# EAGLE board Mk4 Final a Panel score 2x5 (EAGLE 9.0.1), part 23 of 29
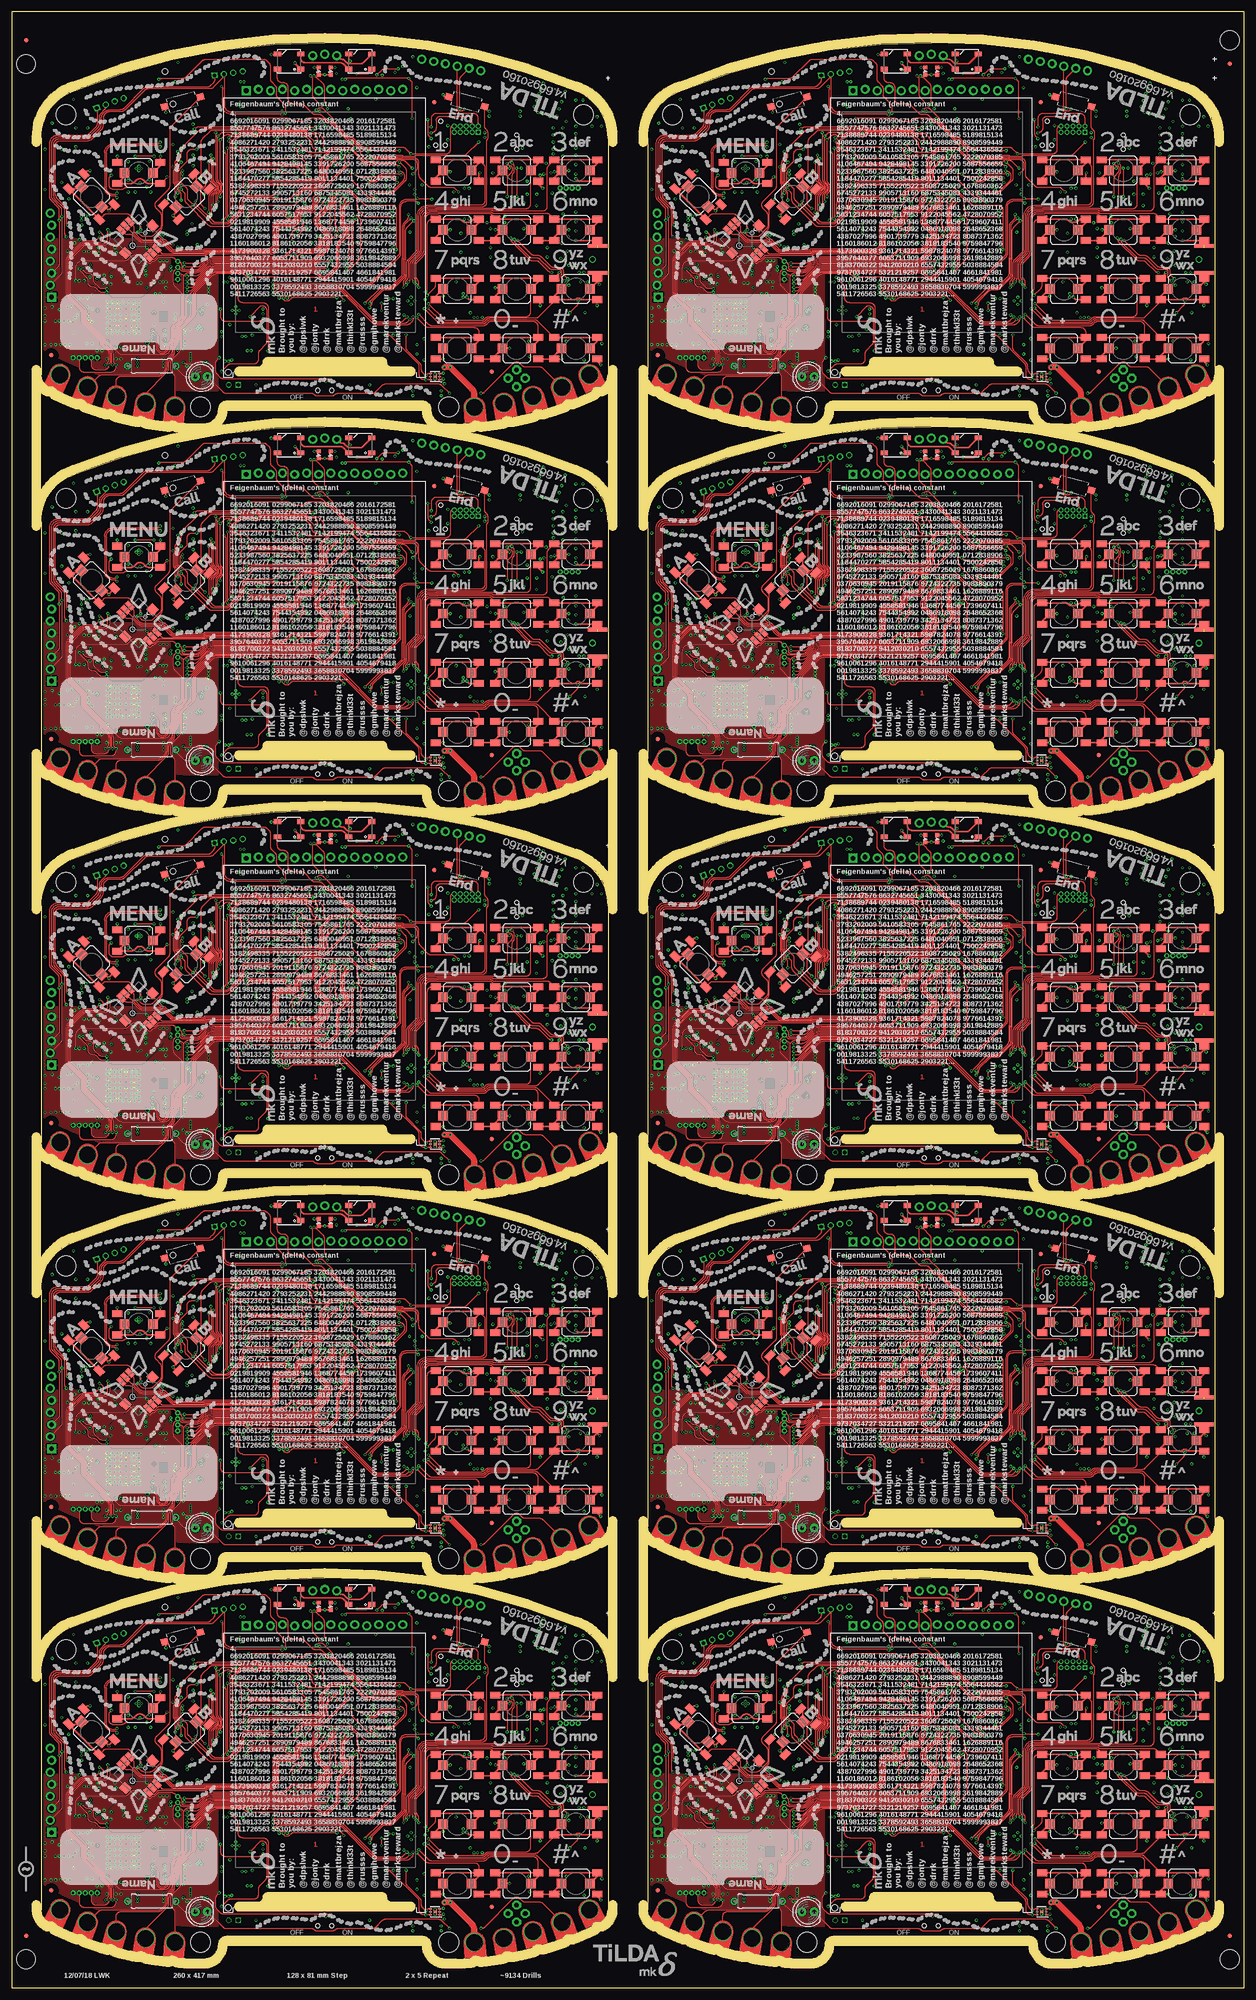
[diagram p0: board, top side]
## Tracks (layer width: path | path; a pad name or v marks a point on that pad's centre or on a via) (continued)
SIM_DET7 (continued)
  Bottom 0.2: IC129.14 231.2,284 arc90 232.2,283 239.09,283 arc-45 239.79,282.71 240.71,281.79 arc-45 241,281.09 R579.2 241,277.41 arc45 241.29,276.71 242.65,275.35 arc45 243.35,275.06 J74.C8
SIM_DET8
  Bottom 0.2: IC147.14 103.2,365 arc90 104.2,364 111.09,364 arc-45 111.79,363.71 112.71,362.79 arc-45 113,362.09 R657.2 113,358.41 arc45 113.29,357.71 114.65,356.35 arc45 115.35,356.06 J84.C8
SIM_DET9
  Bottom 0.2: IC165.14 231.2,365 arc90 232.2,364 239.09,364 arc-45 239.79,363.71 240.71,362.79 arc-45 241,362.09 R735.2 241,358.41 arc45 241.29,357.71 242.65,356.35 arc45 243.35,356.06 J94.C8
SIM_DTR
  Bottom 0.2: R31.1 94.25,47.25 TP2.TP
SIM_DTR1
  Bottom 0.2: R113.1 222.25,47.25 TP21.TP
SIM_DTR2
  Bottom 0.2: R191.1 94.25,128.25 TP40.TP
SIM_DTR3
  Bottom 0.2: R269.1 222.25,128.25 TP59.TP
SIM_DTR4
  Bottom 0.2: R347.1 94.25,209.25 TP78.TP
SIM_DTR5
  Bottom 0.2: R425.1 222.25,209.25 TP97.TP
SIM_DTR6
  Bottom 0.2: R503.1 94.25,290.25 TP116.TP
SIM_DTR7
  Bottom 0.2: R581.1 222.25,290.25 TP135.TP
SIM_DTR8
  Bottom 0.2: R659.1 94.25,371.25 TP154.TP
SIM_DTR9
  Bottom 0.2: R737.1 222.25,371.25 TP173.TP
SIM_DTR_R
  Bottom 0.15: R31.2 R40.1 96.7,46.45 IC5.6
SIM_DTR_R1
  Bottom 0.15: R113.2 R122.1 224.7,46.45 IC21.6
SIM_DTR_R2
  Bottom 0.15: R191.2 R200.1 96.7,127.45 IC39.6
SIM_DTR_R3
  Bottom 0.15: R269.2 R278.1 224.7,127.45 IC57.6
SIM_DTR_R4
  Bottom 0.15: R347.2 R356.1 96.7,208.45 IC75.6
SIM_DTR_R5
  Bottom 0.15: R425.2 R434.1 224.7,208.45 IC93.6
SIM_DTR_R6
  Bottom 0.15: R503.2 R512.1 96.7,289.45 IC111.6
SIM_DTR_R7
  Bottom 0.15: R581.2 R590.1 224.7,289.45 IC129.6
SIM_DTR_R8
  Bottom 0.15: R659.2 R668.1 96.7,370.45 IC147.6
SIM_DTR_R9
  Bottom 0.15: R737.2 R746.1 224.7,370.45 IC165.6
SIM_NETLIGHT
  Bottom 0.15: IC1.108 74.56,60.8 arc45 74.8,60.9 75.22,60.9 75.32,61 77.67,61 arc-90 80.17,58.5 80.17,56.62 arc45 80.32,56.27 80.48,56.11 arc-45 80.62,55.76 80.62,55.5 arc45 80.92,54.79 89.91,45.8 arc-45 90.2,45.09 90.2,37.75 arc90 91.2,36.75 TP12.TP 93,37.25 R42.1
SIM_NETLIGHT1
  Bottom 0.15: IC20.108 202.56,60.8 arc45 202.8,60.9 203.22,60.9 203.32,61 205.68,61 arc-90 208.18,58.5 208.18,56.62 arc45 208.32,56.27 208.48,56.11 arc-45 208.62,55.76 208.62,55.5 arc45 208.92,54.79 217.91,45.8 arc-45 218.2,45.09 218.2,37.75 arc90 219.2,36.75 TP31.TP 221,37.25 R124.1
SIM_NETLIGHT2
  Bottom 0.15: IC38.108 74.56,141.8 arc45 74.8,141.9 75.22,141.9 75.32,142 77.67,142 arc-90 80.17,139.5 80.17,137.62 arc45 80.32,137.27 80.48,137.11 arc-45 80.62,136.76 80.62,136.5 arc45 80.92,135.79 89.91,126.8 arc-45 90.2,126.09 90.2,118.75 arc90 91.2,117.75 TP50.TP 93,118.25 R202.1
SIM_NETLIGHT3
  Bottom 0.15: IC56.108 202.56,141.8 arc45 202.8,141.9 203.22,141.9 203.32,142 205.68,142 arc-90 208.18,139.5 208.18,137.62 arc45 208.32,137.27 208.48,137.11 arc-45 208.62,136.76 208.62,136.5 arc45 208.92,135.79 217.91,126.8 arc-45 218.2,126.09 218.2,118.75 arc90 219.2,117.75 TP69.TP 221,118.25 R280.1
SIM_NETLIGHT4
  Bottom 0.15: IC74.108 74.56,222.8 arc45 74.8,222.9 75.22,222.9 75.32,223 77.67,223 arc-90 80.17,220.5 80.17,218.62 arc45 80.32,218.27 80.48,218.11 arc-45 80.62,217.76 80.62,217.5 arc45 80.92,216.79 89.91,207.8 arc-45 90.2,207.09 90.2,199.75 arc90 91.2,198.75 TP88.TP 93,199.25 R358.1
SIM_NETLIGHT5
  Bottom 0.15: IC92.108 202.56,222.8 arc45 202.8,222.9 203.22,222.9 203.32,223 205.68,223 arc-90 208.18,220.5 208.18,218.62 arc45 208.32,218.27 208.48,218.11 arc-45 208.62,217.76 208.62,217.5 arc45 208.92,216.79 217.91,207.8 arc-45 218.2,207.09 218.2,199.75 arc90 219.2,198.75 TP107.TP 221,199.25 R436.1
SIM_NETLIGHT6
  Bottom 0.15: IC110.108 74.56,303.8 arc45 74.8,303.9 75.22,303.9 75.32,304 77.67,304 arc-90 80.17,301.5 80.17,299.62 arc45 80.32,299.27 80.48,299.11 arc-45 80.62,298.76 80.62,298.5 arc45 80.92,297.79 89.91,288.8 arc-45 90.2,288.1 90.2,280.75 arc90 91.2,279.75 TP126.TP 93,280.25 R514.1
SIM_NETLIGHT7
  Bottom 0.15: IC128.108 202.56,303.8 arc45 202.8,303.9 203.22,303.9 203.32,304 205.68,304 arc-90 208.18,301.5 208.18,299.62 arc45 208.32,299.27 208.48,299.11 arc-45 208.62,298.76 208.62,298.5 arc45 208.92,297.79 217.91,288.8 arc-45 218.2,288.1 218.2,280.75 arc90 219.2,279.75 TP145.TP 221,280.25 R592.1
SIM_NETLIGHT8
  Bottom 0.15: IC146.108 74.56,384.8 arc45 74.8,384.9 75.22,384.9 75.32,385 77.67,385 arc-90 80.17,382.5 80.17,380.62 arc45 80.32,380.27 80.48,380.11 arc-45 80.62,379.76 80.62,379.5 arc45 80.92,378.79 89.91,369.8 arc-45 90.2,369.1 90.2,361.75 arc90 91.2,360.75 TP164.TP 93,361.25 R670.1
SIM_NETLIGHT9
  Bottom 0.15: IC164.108 202.56,384.8 arc45 202.8,384.9 203.22,384.9 203.32,385 205.68,385 arc-90 208.18,382.5 208.18,380.62 arc45 208.32,380.27 208.48,380.11 arc-45 208.62,379.76 208.62,379.5 arc45 208.92,378.79 217.91,369.8 arc-45 218.2,369.1 218.2,361.75 arc90 219.2,360.75 TP183.TP 221,361.25 R748.1
SIM_PWR_KEY
  Bottom 0.15: Q1.1 95.42,35 R30.1 TP13.TP 90.9,35 arc-90 89.9,36 89.9,44.97 arc45 89.61,45.68 80.62,54.67 arc-45 80.33,55.38 80.33,55.63 arc45 80.18,55.99 80.02,56.15 arc-45 79.88,56.5 79.88,58.45 arc90 77.62,60.7 75.45,60.7 75.38,60.63 arc-45 75.31,60.6 75.04,60.6 arc45 74.97,60.57 74.83,60.43 arc-45 74.76,60.4 IC1.109
SIM_PWR_KEY1
  Bottom 0.15: Q6.1 223.43,35 R112.1 TP32.TP 218.9,35 arc-90 217.9,36 217.9,44.97 arc45 217.61,45.68 208.62,54.67 arc-45 208.32,55.38 208.32,55.63 arc45 208.18,55.99 208.02,56.15 arc-45 207.88,56.5 207.88,58.45 arc90 205.62,60.7 203.45,60.7 203.38,60.63 arc-45 203.31,60.6 203.04,60.6 arc45 202.97,60.57 202.83,60.43 arc-45 202.76,60.4 IC20.109
SIM_PWR_KEY2
  Bottom 0.15: Q11.1 95.42,116 R190.1 TP51.TP 90.9,116 arc-90 89.9,117 89.9,125.97 arc45 89.61,126.68 80.62,135.67 arc-45 80.33,136.38 80.33,136.63 arc45 80.18,136.99 80.02,137.15 arc-45 79.88,137.5 79.88,139.45 arc90 77.62,141.7 75.45,141.7 75.38,141.63 arc-45 75.31,141.6 75.04,141.6 arc45 74.97,141.57 74.83,141.43 arc-45 74.76,141.4 IC38.109
SIM_PWR_KEY3
  Bottom 0.15: Q15.1 223.43,116 R268.1 TP70.TP 218.9,116 arc-90 217.9,117 217.9,125.97 arc45 217.61,126.68 208.62,135.67 arc-45 208.32,136.38 208.32,136.63 arc45 208.18,136.99 208.02,137.15 arc-45 207.88,137.5 207.88,139.45 arc90 205.62,141.7 203.45,141.7 203.38,141.63 arc-45 203.31,141.6 203.04,141.6 arc45 202.97,141.57 202.83,141.43 arc-45 202.76,141.4 IC56.109
SIM_PWR_KEY4
  Bottom 0.15: Q19.1 95.42,197 R346.1 TP89.TP 90.9,197 arc-90 89.9,198 89.9,206.97 arc45 89.61,207.68 80.62,216.67 arc-45 80.33,217.38 80.33,217.63 arc45 80.18,217.99 80.02,218.15 arc-45 79.88,218.5 79.88,220.45 arc90 77.62,222.7 75.45,222.7 75.38,222.63 arc-45 75.31,222.6 75.04,222.6 arc45 74.97,222.57 74.83,222.43 arc-45 74.76,222.4 IC74.109
SIM_PWR_KEY5
  Bottom 0.15: Q23.1 223.43,197 R424.1 TP108.TP 218.9,197 arc-90 217.9,198 217.9,206.97 arc45 217.61,207.68 208.62,216.67 arc-45 208.32,217.38 208.32,217.63 arc45 208.18,217.99 208.02,218.15 arc-45 207.88,218.5 207.88,220.45 arc90 205.62,222.7 203.45,222.7 203.38,222.63 arc-45 203.31,222.6 203.04,222.6 arc45 202.97,222.57 202.83,222.43 arc-45 202.76,222.4 IC92.109
SIM_PWR_KEY6
  Bottom 0.15: Q27.1 95.42,278 R502.1 TP127.TP 90.9,278 arc-90 89.9,279 89.9,287.97 arc45 89.61,288.68 80.62,297.67 arc-45 80.33,298.38 80.33,298.63 arc45 80.18,298.99 80.02,299.14 arc-45 79.88,299.5 79.88,301.45 arc90 77.62,303.7 75.45,303.7 75.38,303.63 arc-45 75.31,303.6 75.04,303.6 arc45 74.97,303.57 74.83,303.43 arc-45 74.76,303.4 IC110.109
SIM_PWR_KEY7
  Bottom 0.15: Q31.1 223.43,278 R580.1 TP146.TP 218.9,278 arc-90 217.9,279 217.9,287.97 arc45 217.61,288.68 208.62,297.67 arc-45 208.32,298.38 208.32,298.63 arc45 208.18,298.99 208.02,299.14 arc-45 207.88,299.5 207.88,301.45 arc90 205.62,303.7 203.45,303.7 203.38,303.63 arc-45 203.31,303.6 203.04,303.6 arc45 202.97,303.57 202.83,303.43 arc-45 202.76,303.4 IC128.109
SIM_PWR_KEY8
  Bottom 0.15: Q35.1 95.42,359 R658.1 TP165.TP 90.9,359 arc-90 89.9,360 89.9,368.97 arc45 89.61,369.68 80.62,378.67 arc-45 80.33,379.38 80.33,379.63 arc45 80.18,379.99 80.02,380.14 arc-45 79.88,380.5 79.88,382.45 arc90 77.62,384.7 75.45,384.7 75.38,384.63 arc-45 75.31,384.6 75.04,384.6 arc45 74.97,384.57 74.83,384.43 arc-45 74.76,384.4 IC146.109
SIM_PWR_KEY9
  Bottom 0.15: Q39.1 223.43,359 R736.1 TP184.TP 218.9,359 arc-90 217.9,360 217.9,368.97 arc45 217.61,369.68 208.62,378.67 arc-45 208.32,379.38 208.32,379.63 arc45 208.18,379.99 208.02,380.14 arc-45 207.88,380.5 207.88,382.45 arc90 205.62,384.7 203.45,384.7 203.38,384.63 arc-45 203.31,384.6 203.04,384.6 arc45 202.97,384.57 202.83,384.43 arc-45 202.76,384.4 IC164.109
SIM_RI  (via drill 0.3)
  Top 0.15: v72.4,58.8 72.81,58.39 arc45 73.51,58.1 76.77,58.1 arc45 77.16,58.26 arc-45 78.22,58.7 81.86,58.7 arc-45 v82.1,58.6
  Bottom 0.15: 94.72,48.5 94.97,48.25 R32.1 95,48.25 TP10.TP 88.16,49.25 82.39,55.01 arc-45 82.1,55.72 v82.1,58.6 | IC1.112 73.21,59.2 arc45 72.51,58.91 v72.4,58.8
SIM_RI1  (via drill 0.3)
  Top 0.15: v200.4,58.8 200.81,58.39 arc45 201.51,58.1 204.77,58.1 arc45 205.16,58.26 arc-45 206.22,58.7 209.86,58.7 arc-45 v210.1,58.6
  Bottom 0.15: 222.72,48.5 222.97,48.25 R115.1 223,48.25 TP29.TP 216.16,49.25 210.39,55.01 arc-45 210.1,55.72 v210.1,58.6 | IC20.112 201.21,59.2 arc45 200.51,58.91 v200.4,58.8
SIM_RI2  (via drill 0.3)
  Top 0.15: v72.4,139.8 72.81,139.39 arc45 73.51,139.1 76.77,139.1 arc45 77.16,139.26 arc-45 78.22,139.7 81.86,139.7 arc-45 v82.1,139.6
  Bottom 0.15: 94.72,129.5 94.97,129.25 R193.1 95,129.25 TP48.TP 88.16,130.25 82.39,136.01 arc-45 82.1,136.72 v82.1,139.6 | IC38.112 73.21,140.2 arc45 72.51,139.91 v72.4,139.8
SIM_RI3  (via drill 0.3)
  Top 0.15: v200.4,139.8 200.81,139.39 arc45 201.51,139.1 204.77,139.1 arc45 205.16,139.26 arc-45 206.22,139.7 209.86,139.7 arc-45 v210.1,139.6
  Bottom 0.15: 222.72,129.5 222.97,129.25 R271.1 223,129.25 TP67.TP 216.16,130.25 210.39,136.01 arc-45 210.1,136.72 v210.1,139.6 | IC56.112 201.21,140.2 arc45 200.51,139.91 v200.4,139.8
SIM_RI4  (via drill 0.3)
  Top 0.15: v72.4,220.8 72.81,220.39 arc45 73.51,220.1 76.77,220.1 arc45 77.16,220.26 arc-45 78.22,220.7 81.86,220.7 arc-45 v82.1,220.6
  Bottom 0.15: 94.72,210.5 94.97,210.25 R349.1 95,210.25 TP86.TP 88.16,211.25 82.39,217.01 arc-45 82.1,217.72 v82.1,220.6 | IC74.112 73.21,221.2 arc45 72.51,220.91 v72.4,220.8
SIM_RI5  (via drill 0.3)
  Top 0.15: v200.4,220.8 200.81,220.39 arc45 201.51,220.1 204.77,220.1 arc45 205.16,220.26 arc-45 206.22,220.7 209.86,220.7 arc-45 v210.1,220.6
  Bottom 0.15: 222.72,210.5 222.97,210.25 R427.1 223,210.25 TP105.TP 216.16,211.25 210.39,217.01 arc-45 210.1,217.72 v210.1,220.6 | IC92.112 201.21,221.2 arc45 200.51,220.91 v200.4,220.8
SIM_RI6  (via drill 0.3)
  Top 0.15: v72.4,301.8 72.81,301.39 arc45 73.51,301.1 76.77,301.1 arc45 77.16,301.26 arc-45 78.22,301.7 81.86,301.7 arc-45 v82.1,301.6
  Bottom 0.15: 94.72,291.5 94.97,291.25 R505.1 95,291.25 TP124.TP 88.16,292.25 82.39,298.01 arc-45 82.1,298.72 v82.1,301.6 | IC110.112 73.21,302.2 arc45 72.51,301.91 v72.4,301.8
SIM_RI7  (via drill 0.3)
  Top 0.15: v200.4,301.8 200.81,301.39 arc45 201.51,301.1 204.77,301.1 arc45 205.16,301.26 arc-45 206.22,301.7 209.86,301.7 arc-45 v210.1,301.6
  Bottom 0.15: 222.72,291.5 222.97,291.25 R583.1 223,291.25 TP143.TP 216.16,292.25 210.39,298.01 arc-45 210.1,298.72 v210.1,301.6 | IC128.112 201.21,302.2 arc45 200.51,301.91 v200.4,301.8
SIM_RI8  (via drill 0.3)
  Top 0.15: v72.4,382.8 72.81,382.39 arc45 73.51,382.1 76.77,382.1 arc45 77.16,382.26 arc-45 78.22,382.7 81.86,382.7 arc-45 v82.1,382.6
  Bottom 0.15: 94.72,372.5 94.97,372.25 R661.1 95,372.25 TP162.TP 88.16,373.25 82.39,379.01 arc-45 82.1,379.72 v82.1,382.6 | IC146.112 73.21,383.2 arc45 72.51,382.91 v72.4,382.8
SIM_RI9  (via drill 0.3)
  Top 0.15: v200.4,382.8 200.81,382.39 arc45 201.51,382.1 204.77,382.1 arc45 205.16,382.26 arc-45 206.22,382.7 209.86,382.7 arc-45 v210.1,382.6
  Bottom 0.15: 222.72,372.5 222.97,372.25 R739.1 223,372.25 TP181.TP 216.16,373.25 210.39,379.01 arc-45 210.1,379.72 v210.1,382.6 | IC164.112 201.21,383.2 arc45 200.51,382.91 v200.4,382.8
SIM_RI_R
  Bottom 0.15: IC5.7 97.2,47.55 R32.2
SIM_RI_R1
  Bottom 0.15: IC21.7 225.2,47.55 R115.2
SIM_RI_R2
  Bottom 0.15: IC39.7 97.2,128.55 R193.2
SIM_RI_R3
  Bottom 0.15: IC57.7 225.2,128.55 R271.2
SIM_RI_R4
  Bottom 0.15: IC75.7 97.2,209.55 R349.2
SIM_RI_R5
  Bottom 0.15: IC93.7 225.2,209.55 R427.2
SIM_RI_R6
  Bottom 0.15: IC111.7 97.2,290.55 R505.2
SIM_RI_R7
  Bottom 0.15: IC129.7 225.2,290.55 R583.2
SIM_RI_R8
  Bottom 0.15: IC147.7 97.2,371.55 R661.2
SIM_RI_R9
  Bottom 0.15: IC165.7 225.2,371.55 R739.2
SIM_RST  (via drill 0.3)
  Top 0.2: v105.25,45.25 105.25,45.06 arc45 105.47,44.53 109.21,40.79 arc45 109.91,40.5 110.59,40.5 arc-45 111.29,40.21 113.22,38.28 arc45 v113.9,38 | v106.5,60 v106.5,54
  Bottom 0.2: J1.C2 122,26.98 121.98,27 119.41,27 arc-45 118.71,27.29 arc-45 118.5,27.79 118.5,29.59 arc45 118.21,30.29 118.04,30.46 arc-45 117.75,31.16 117.75,32.25 arc90 117.25,32.75 116.96,32.75 arc-45 116.6,32.9 114.11,35.39 arc-45 113.9,35.9 | v105.25,45.25 105.25,45.94 arc-45 105.47,46.47 105.53,46.53 arc45 105.75,47.06 105.75,52.84 arc-45 106.04,53.54 v106.5,54 | R28.2 v106.5,60 | 113.9,35.9 v113.9,38 | IC10.4 113.9,35.9
SIM_RST1  (via drill 0.3)
  Top 0.2: v233.25,45.25 233.25,45.06 arc45 233.47,44.53 237.21,40.79 arc45 237.91,40.5 238.59,40.5 arc-45 239.29,40.21 241.22,38.28 arc45 v241.9,38 | v234.5,60 v234.5,54
  Bottom 0.2: J14.C2 250,26.98 249.98,27 247.41,27 arc-45 246.71,27.29 arc-45 246.5,27.79 246.5,29.59 arc45 246.21,30.29 246.04,30.46 arc-45 245.75,31.16 245.75,32.25 arc90 245.25,32.75 244.96,32.75 arc-45 244.6,32.9 242.11,35.39 arc-45 241.9,35.9 | v233.25,45.25 233.25,45.94 arc-45 233.47,46.47 233.53,46.53 arc45 233.75,47.06 233.75,52.84 arc-45 234.04,53.54 v234.5,54 | R110.2 v234.5,60 | 241.9,35.9 v241.9,38 | IC25.4 241.9,35.9
SIM_RST2  (via drill 0.3)
  Top 0.2: v105.25,126.25 105.25,126.06 arc45 105.47,125.53 109.21,121.79 arc45 109.91,121.5 110.59,121.5 arc-45 111.29,121.21 113.22,119.28 arc45 v113.9,119 | v106.5,141 v106.5,135
  Bottom 0.2: J24.C2 122,107.98 121.98,108 119.41,108 arc-45 118.71,108.29 arc-45 118.5,108.79 118.5,110.59 arc45 118.21,111.29 118.04,111.46 arc-45 117.75,112.16 117.75,113.25 arc90 117.25,113.75 116.96,113.75 arc-45 116.6,113.9 114.11,116.39 arc-45 113.9,116.9 | v105.25,126.25 105.25,126.94 arc-45 105.47,127.47 105.53,127.53 arc45 105.75,128.06 105.75,133.84 arc-45 106.04,134.54 v106.5,135 | R188.2 v106.5,141 | 113.9,116.9 v113.9,119 | IC43.4 113.9,116.9
SIM_RST3  (via drill 0.3)
  Top 0.2: v233.25,126.25 233.25,126.06 arc45 233.47,125.53 237.21,121.79 arc45 237.91,121.5 238.59,121.5 arc-45 239.29,121.21 241.22,119.28 arc45 v241.9,119 | v234.5,141 v234.5,135
  Bottom 0.2: J34.C2 250,107.98 249.98,108 247.41,108 arc-45 246.71,108.29 arc-45 246.5,108.79 246.5,110.59 arc45 246.21,111.29 246.04,111.46 arc-45 245.75,112.16 245.75,113.25 arc90 245.25,113.75 244.96,113.75 arc-45 244.6,113.9 242.11,116.39 arc-45 241.9,116.9 | v233.25,126.25 233.25,126.94 arc-45 233.47,127.47 233.53,127.53 arc45 233.75,128.06 233.75,133.84 arc-45 234.04,134.54 v234.5,135 | R266.2 v234.5,141 | 241.9,116.9 v241.9,119 | IC61.4 241.9,116.9
SIM_RST4  (via drill 0.3)
  Top 0.2: v105.25,207.25 105.25,207.06 arc45 105.47,206.53 109.21,202.79 arc45 109.91,202.5 110.59,202.5 arc-45 111.29,202.21 113.22,200.28 arc45 v113.9,200 | v106.5,222 v106.5,216
  Bottom 0.2: J44.C2 122,188.98 121.98,189 119.41,189 arc-45 118.71,189.29 arc-45 118.5,189.79 118.5,191.59 arc45 118.21,192.29 118.04,192.46 arc-45 117.75,193.16 117.75,194.25 arc90 117.25,194.75 116.96,194.75 arc-45 116.6,194.9 114.11,197.39 arc-45 113.9,197.9 | v105.25,207.25 105.25,207.94 arc-45 105.47,208.47 105.53,208.53 arc45 105.75,209.06 105.75,214.84 arc-45 106.04,215.54 v106.5,216 | R344.2 v106.5,222 | 113.9,197.9 v113.9,200 | IC79.4 113.9,197.9
SIM_RST5  (via drill 0.3)
  Top 0.2: v233.25,207.25 233.25,207.06 arc45 233.47,206.53 237.21,202.79 arc45 237.91,202.5 238.59,202.5 arc-45 239.29,202.21 241.22,200.28 arc45 v241.9,200 | v234.5,222 v234.5,216
  Bottom 0.2: J54.C2 250,188.98 249.98,189 247.41,189 arc-45 246.71,189.29 arc-45 246.5,189.79 246.5,191.59 arc45 246.21,192.29 246.04,192.46 arc-45 245.75,193.16 245.75,194.25 arc90 245.25,194.75 244.96,194.75 arc-45 244.6,194.9 242.11,197.39 arc-45 241.9,197.9 | v233.25,207.25 233.25,207.94 arc-45 233.47,208.47 233.53,208.53 arc45 233.75,209.06 233.75,214.84 arc-45 234.04,215.54 v234.5,216 | R422.2 v234.5,222 | 241.9,197.9 v241.9,200 | IC97.4 241.9,197.9
SIM_RST6  (via drill 0.3)
  Top 0.2: v105.25,288.25 105.25,288.06 arc45 105.47,287.53 109.21,283.79 arc45 109.91,283.5 110.59,283.5 arc-45 111.29,283.21 113.22,281.28 arc45 v113.9,281 | v106.5,303 v106.5,297
  Bottom 0.2: J64.C2 122,269.98 121.98,270 119.41,270 arc-45 118.71,270.29 arc-45 118.5,270.79 118.5,272.59 arc45 118.21,273.29 118.04,273.46 arc-45 117.75,274.16 117.75,275.25 arc90 117.25,275.75 116.96,275.75 arc-45 116.6,275.9 114.11,278.39 arc-45 113.9,278.9 | v105.25,288.25 105.25,288.94 arc-45 105.47,289.47 105.53,289.53 arc45 105.75,290.06 105.75,295.84 arc-45 106.04,296.54 v106.5,297 | R500.2 v106.5,303 | 113.9,278.9 v113.9,281 | IC115.4 113.9,278.9
SIM_RST7  (via drill 0.3)
  Top 0.2: v233.25,288.25 233.25,288.06 arc45 233.47,287.53 237.21,283.79 arc45 237.91,283.5 238.59,283.5 arc-45 239.29,283.21 241.22,281.28 arc45 v241.9,281 | v234.5,303 v234.5,297
  Bottom 0.2: J74.C2 250,269.98 249.98,270 247.41,270 arc-45 246.71,270.29 arc-45 246.5,270.79 246.5,272.59 arc45 246.21,273.29 246.04,273.46 arc-45 245.75,274.16 245.75,275.25 arc90 245.25,275.75 244.96,275.75 arc-45 244.6,275.9 242.11,278.39 arc-45 241.9,278.9 | v233.25,288.25 233.25,288.94 arc-45 233.47,289.47 233.53,289.53 arc45 233.75,290.06 233.75,295.84 arc-45 234.04,296.54 v234.5,297 | R578.2 v234.5,303 | 241.9,278.9 v241.9,281 | IC133.4 241.9,278.9
SIM_RST8  (via drill 0.3)
  Top 0.2: v105.25,369.25 105.25,369.06 arc45 105.47,368.53 109.21,364.79 arc45 109.91,364.5 110.59,364.5 arc-45 111.29,364.21 113.22,362.28 arc45 v113.9,362 | v106.5,384 v106.5,378
  Bottom 0.2: J84.C2 122,350.98 121.98,351 119.41,351 arc-45 118.71,351.29 arc-45 118.5,351.79 118.5,353.59 arc45 118.21,354.29 118.04,354.46 arc-45 117.75,355.16 117.75,356.25 arc90 117.25,356.75 116.96,356.75 arc-45 116.6,356.9 114.11,359.39 arc-45 113.9,359.9 | v105.25,369.25 105.25,369.94 arc-45 105.47,370.47 105.53,370.53 arc45 105.75,371.06 105.75,376.84 arc-45 106.04,377.54 v106.5,378 | R656.2 v106.5,384 | 113.9,359.9 v113.9,362 | IC151.4 113.9,359.9
SIM_RST9  (via drill 0.3)
  Top 0.2: v233.25,369.25 233.25,369.06 arc45 233.47,368.53 237.21,364.79 arc45 237.91,364.5 238.59,364.5 arc-45 239.29,364.21 241.22,362.28 arc45 v241.9,362 | v234.5,384 v234.5,378
  Bottom 0.2: J94.C2 250,350.98 249.98,351 247.41,351 arc-45 246.71,351.29 arc-45 246.5,351.79 246.5,353.59 arc45 246.21,354.29 246.04,354.46 arc-45 245.75,355.16 245.75,356.25 arc90 245.25,356.75 244.96,356.75 arc-45 244.6,356.9 242.11,359.39 arc-45 241.9,359.9 | v233.25,369.25 233.25,369.94 arc-45 233.47,370.47 233.53,370.53 arc45 233.75,371.06 233.75,376.84 arc-45 234.04,377.54 v234.5,378 | R734.2 v234.5,384 | 241.9,359.9 v241.9,362 | IC169.4 241.9,359.9
SIM_RST_R
  Bottom 0.2: IC5.17 R28.1 C48.2
SIM_RST_R1
  Bottom 0.2: IC21.17 R110.1 C155.2
SIM_RST_R2
  Bottom 0.2: IC39.17 R188.1 C263.2
SIM_RST_R3
  Bottom 0.2: IC57.17 R266.1 C371.2
SIM_RST_R4
  Bottom 0.2: IC75.17 R344.1 C479.2
SIM_RST_R5
  Bottom 0.2: IC93.17 R422.1 C587.2
SIM_RST_R6
  Bottom 0.2: IC111.17 R500.1 C695.2
SIM_RST_R7
  Bottom 0.2: IC129.17 R578.1 C803.2
SIM_RST_R8
  Bottom 0.2: IC147.17 R656.1 C911.2
SIM_RST_R9
  Bottom 0.2: IC165.17 R734.1 C1019.2
SIM_RTS
  Bottom 0.2: TP5.TP R35.1
SIM_RTS1
  Bottom 0.2: TP24.TP R118.1
SIM_RTS2
  Bottom 0.2: TP43.TP R196.1
SIM_RTS3
  Bottom 0.2: TP62.TP R274.1
SIM_RTS4
  Bottom 0.2: TP81.TP R352.1
SIM_RTS5
  Bottom 0.2: TP100.TP R430.1
SIM_RTS6
  Bottom 0.2: TP119.TP R508.1
SIM_RTS7
  Bottom 0.2: TP138.TP R586.1
SIM_RTS8
  Bottom 0.2: TP157.TP R664.1
SIM_RTS9
  Bottom 0.2: TP176.TP R742.1
SIM_RTS_R
  Bottom 0.15: IC5.3 98.55,43.25 R35.2 R39.1
SIM_RTS_R1
  Bottom 0.15: IC21.3 226.55,43.25 R118.2 R121.1
SIM_RTS_R2
  Bottom 0.15: IC39.3 98.55,124.25 R196.2 R199.1
SIM_RTS_R3
  Bottom 0.15: IC57.3 226.55,124.25 R274.2 R277.1
SIM_RTS_R4
  Bottom 0.15: IC75.3 98.55,205.25 R352.2 R355.1
SIM_RTS_R5
  Bottom 0.15: IC93.3 226.55,205.25 R430.2 R433.1
SIM_RTS_R6
  Bottom 0.15: IC111.3 98.55,286.25 R508.2 R511.1
SIM_RTS_R7
  Bottom 0.15: IC129.3 226.55,286.25 R586.2 R589.1
SIM_RTS_R8
  Bottom 0.15: IC147.3 98.55,367.25 R664.2 R667.1
SIM_RTS_R9
  Bottom 0.15: IC165.3 226.55,367.25 R742.2 R745.1
SIM_RXD_R
  Bottom 0.15: IC5.2 97.71,42.05 arc45 97.01,41.76 R37.2 R38.1
SIM_RXD_R1
  Bottom 0.15: IC21.2 225.71,42.05 arc45 225.01,41.76 R120.2 R114.1
SIM_RXD_R2
  Bottom 0.15: IC39.2 97.71,123.05 arc45 97.01,122.76 R198.2 R192.1
SIM_RXD_R3
  Bottom 0.15: IC57.2 225.71,123.05 arc45 225.01,122.76 R276.2 R270.1
SIM_RXD_R4
  Bottom 0.15: IC75.2 97.71,204.05 arc45 97.01,203.76 R354.2 R348.1
SIM_RXD_R5
  Bottom 0.15: IC93.2 225.71,204.05 arc45 225.01,203.76 R432.2 R426.1
SIM_RXD_R6
  Bottom 0.15: IC111.2 97.71,285.05 arc45 97.01,284.76 R510.2 R504.1
SIM_RXD_R7
  Bottom 0.15: IC129.2 225.71,285.05 arc45 225.01,284.76 R588.2 R582.1
SIM_RXD_R8
  Bottom 0.15: IC147.2 97.71,366.05 arc45 97.01,365.76 R666.2 R660.1
SIM_RXD_R9
  Bottom 0.15: IC165.2 225.71,366.05 arc45 225.01,365.76 R744.2 R738.1
SIM_STATUS
  Bottom 0.15: R41.1 92.25,38.25 TP11.TP 90.79,39.71 arc-45 90.5,40.41 90.5,45.22 arc45 90.21,45.93 81.22,54.92 arc-45 80.92,55.62 80.92,55.88 arc45 80.78,56.24 80.62,56.39 arc-45 80.47,56.75 80.47,58.55 arc90 77.72,61.3 75.2,61.3 75.1,61.2 IC1.107
SIM_STATUS1
  Bottom 0.15: R123.1 220.25,38.25 TP30.TP 218.79,39.71 arc-45 218.5,40.41 218.5,45.22 arc45 218.21,45.93 209.22,54.92 arc-45 208.93,55.62 208.93,55.88 arc45 208.78,56.24 208.62,56.39 arc-45 208.47,56.75 208.47,58.55 arc90 205.72,61.3 203.2,61.3 203.1,61.2 IC20.107
SIM_STATUS2
  Bottom 0.15: R201.1 92.25,119.25 TP49.TP 90.79,120.71 arc-45 90.5,121.41 90.5,126.22 arc45 90.21,126.93 81.22,135.92 arc-45 80.92,136.62 80.92,136.88 arc45 80.78,137.24 80.62,137.39 arc-45 80.47,137.75 80.47,139.55 arc90 77.72,142.3 75.2,142.3 75.1,142.2 IC38.107
SIM_STATUS3
  Bottom 0.15: R279.1 220.25,119.25 TP68.TP 218.79,120.71 arc-45 218.5,121.41 218.5,126.22 arc45 218.21,126.93 209.22,135.92 arc-45 208.93,136.62 208.93,136.88 arc45 208.78,137.24 208.62,137.39 arc-45 208.47,137.75 208.47,139.55 arc90 205.72,142.3 203.2,142.3 203.1,142.2 IC56.107
SIM_STATUS4
  Bottom 0.15: R357.1 92.25,200.25 TP87.TP 90.79,201.71 arc-45 90.5,202.41 90.5,207.22 arc45 90.21,207.93 81.22,216.92 arc-45 80.92,217.62 80.92,217.88 arc45 80.78,218.24 80.62,218.39 arc-45 80.47,218.75 80.47,220.55 arc90 77.72,223.3 75.2,223.3 75.1,223.2 IC74.107
SIM_STATUS5
  Bottom 0.15: R435.1 220.25,200.25 TP106.TP 218.79,201.71 arc-45 218.5,202.41 218.5,207.22 arc45 218.21,207.93 209.22,216.92 arc-45 208.93,217.62 208.93,217.88 arc45 208.78,218.24 208.62,218.39 arc-45 208.47,218.75 208.47,220.55 arc90 205.72,223.3 203.2,223.3 203.1,223.2 IC92.107
SIM_STATUS6
  Bottom 0.15: R513.1 92.25,281.25 TP125.TP 90.79,282.71 arc-45 90.5,283.41 90.5,288.22 arc45 90.21,288.93 81.22,297.92 arc-45 80.92,298.62 80.92,298.88 arc45 80.78,299.24 80.62,299.39 arc-45 80.47,299.75 80.47,301.55 arc90 77.72,304.3 75.2,304.3 75.1,304.2 IC110.107
SIM_STATUS7
  Bottom 0.15: R591.1 220.25,281.25 TP144.TP 218.79,282.71 arc-45 218.5,283.41 218.5,288.22 arc45 218.21,288.93 209.22,297.92 arc-45 208.93,298.62 208.93,298.88 arc45 208.78,299.24 208.62,299.39 arc-45 208.47,299.75 208.47,301.55 arc90 205.72,304.3 203.2,304.3 203.1,304.2 IC128.107
SIM_STATUS8
  Bottom 0.15: R669.1 92.25,362.25 TP163.TP 90.79,363.71 arc-45 90.5,364.41 90.5,369.22 arc45 90.21,369.93 81.22,378.92 arc-45 80.92,379.62 80.92,379.88 arc45 80.78,380.24 80.62,380.39 arc-45 80.47,380.75 80.47,382.55 arc90 77.72,385.3 75.2,385.3 75.1,385.2 IC146.107
SIM_STATUS9
  Bottom 0.15: R747.1 220.25,362.25 TP182.TP 218.79,363.71 arc-45 218.5,364.41 218.5,369.22 arc45 218.21,369.93 209.22,378.92 arc-45 208.93,379.62 208.93,379.88 arc45 208.78,380.24 208.62,380.39 arc-45 208.47,380.75 208.47,382.55 arc90 205.72,385.3 203.2,385.3 203.1,385.2 IC164.107
SIM_STATUS_R
  Bottom 0.15: R41.2 102.05,38.25 IC5.42
SIM_STATUS_R1
  Bottom 0.15: R123.2 230.05,38.25 IC21.42
SIM_STATUS_R2
  Bottom 0.15: R201.2 102.05,119.25 IC39.42
SIM_STATUS_R3
  Bottom 0.15: R279.2 230.05,119.25 IC57.42
SIM_STATUS_R4
  Bottom 0.15: R357.2 102.05,200.25 IC75.42
SIM_STATUS_R5
  Bottom 0.15: R435.2 230.05,200.25 IC93.42
SIM_STATUS_R6
  Bottom 0.15: R513.2 102.05,281.25 IC111.42
SIM_STATUS_R7
  Bottom 0.15: R591.2 230.05,281.25 IC129.42
SIM_STATUS_R8
  Bottom 0.15: R669.2 102.05,362.25 IC147.42
SIM_STATUS_R9
  Bottom 0.15: R747.2 230.05,362.25 IC165.42
SIM_TXD_R
  Bottom 0.15: IC5.1 98.2,40.95 arc90 97.25,40 arc-90 R36.2
SIM_TXD_R1
  Bottom 0.15: IC21.1 226.2,40.95 arc90 225.25,40 arc-90 R119.2